# Altium PCB Steezy60SMK.PcbDoc (part 3 of 3)
Units mm, origin at the board's own origin, x right, y up, seen from the top; angles counter-clockwise.
Board outline 284.73 x 94.2 mm, 2 copper layers (Component Side, Bottom Layer), stack 1.571 mm thick; 204 components, 132 nets, 1159 pads, 251 vias.
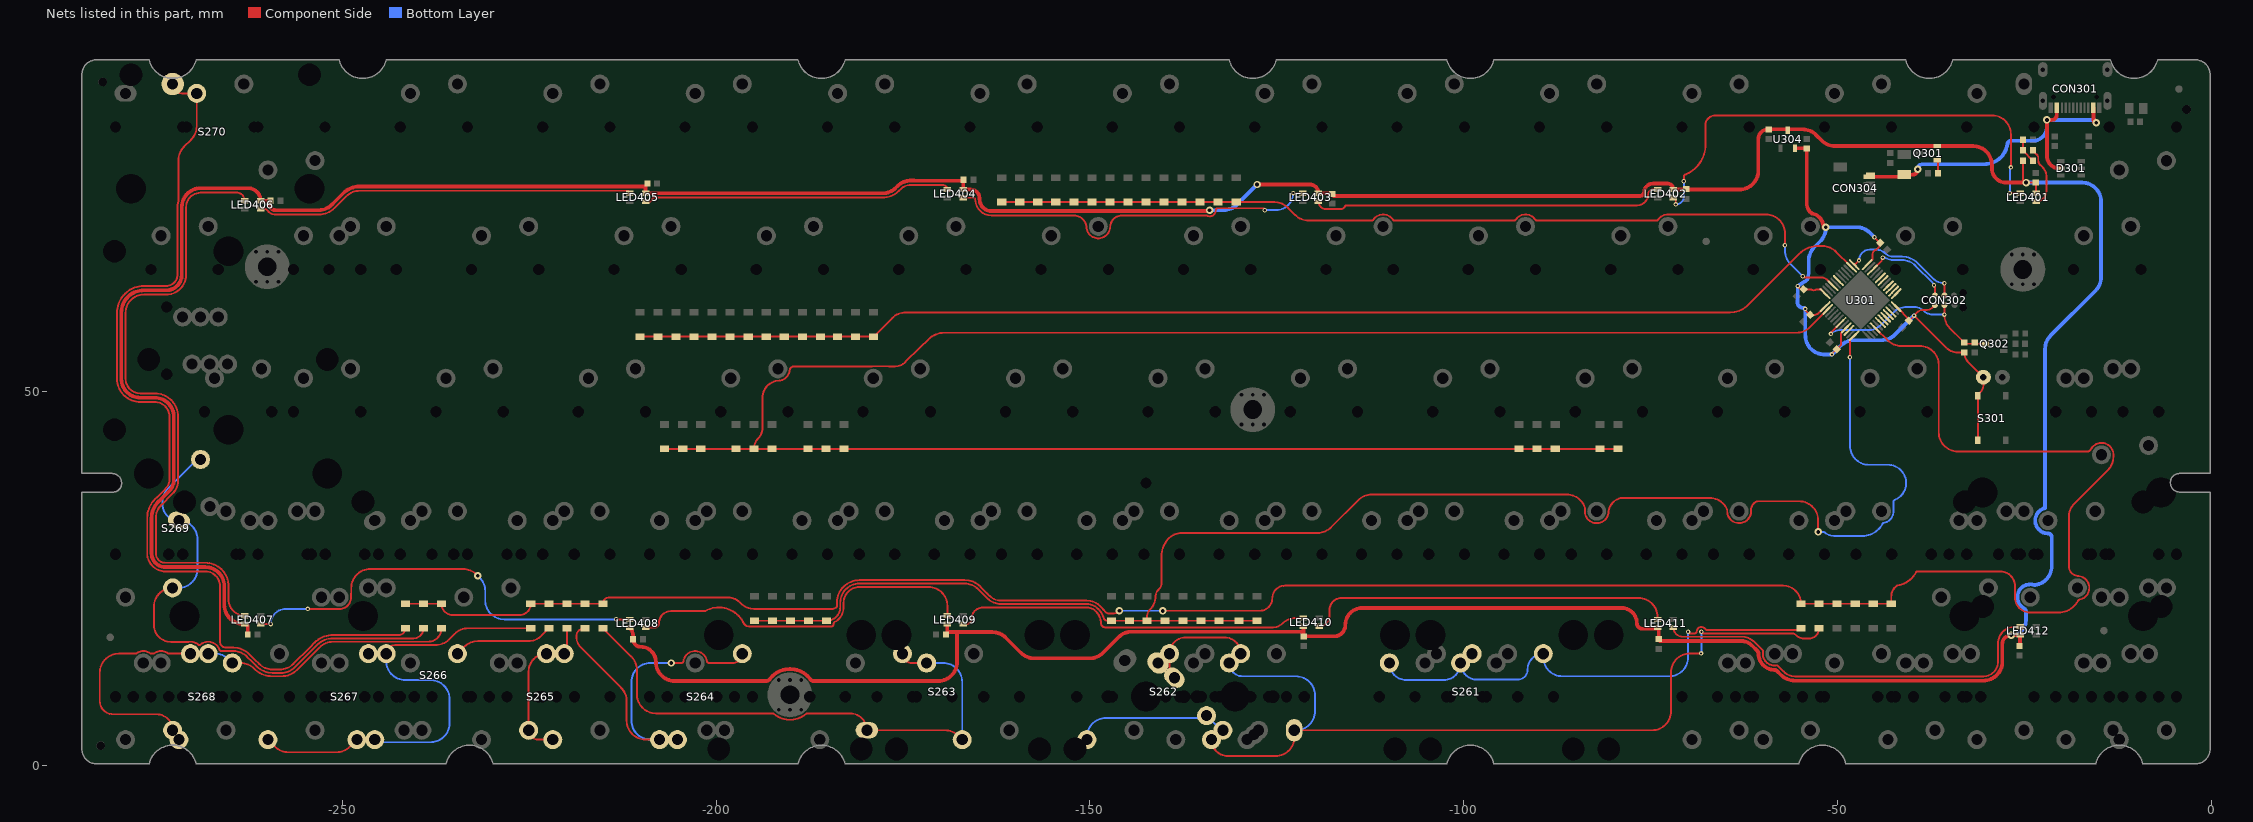
[diagram p3: the nets of this part, all layers, seen from the top]

## Via types
v1: diameter 0.6, hole 0.3, Component Side to Bottom Layer, tented both sides, 127 vias
v2: diameter 1, hole 0.5, Component Side to Bottom Layer, tented both sides, 99 vias
v3: diameter 0.6, hole 0.3, Component Side to Bottom Layer, tented bottom, 25 vias

## Nets (pads, with @x,y where several pads share a name; then routed paths per layer and width w, separated by ;. In a path a pad name is that pad's centre, name@x,y a point inside that pad or via, vN(x,y) a via of type N, cw(c..) or ccw(c..) an arc to the next point about the centre after c; other vN are vias at no path point) (continued)
NetD261_1: D261.1 S261.1 | length 69
  Component Side w0.254: S261.1@-110.399,14.183 S261.1@-109.931,13.715 ; v1@-69.85,17.687 -69.078,17.687 ccw(c-69.079,17.941) -68.826,17.93 cw(c-68.199,17.907) -67.676,18.253 ccw(c-67.466,18.395) -67.467,18.141 -55.088,18.141 ccw(c-55.088,18.365) D261.1@-54.864,18.365
  Bottom Layer w0.254: S261.1@-109.931,13.715 ccw(c-107.646,13.715) -107.646,11.43 -102.691,11.43 ccw(c-102.691,13.715) S261.1@-100.406,13.715 ccw(c-98.175,13.715) -100.399,13.536 ccw(c-98.175,13.715) -98.354,11.491 ccw(c-98.175,13.715) -98.175,11.484 -92.783,11.484 ccw(c-92.783,12.827) -91.44,12.827 -91.44,12.868 cw(c-89.343,12.868) S261.1@-89.343,14.965 -89.343,14.478 ccw(c-86.803,14.478) -86.803,11.938 -72.517,11.938 ccw(c-72.517,14.478) -69.977,14.478 v1(-69.977,17.907)
NetD262_1: D262.1 S262.1 | length 155.4
  Component Side w0.254: S262.1@-138.379,12.065 S262.1@-138.689,11.755 -139.35,12.415 S262.1@-139.35,14.965 cw(c-137.17,14.965) -139.349,14.986 cw(c-137.17,14.965) -137.17,17.145 -132.004,17.145 cw(c-132.004,14.965) -130.37,16.407 cw(c-132.004,14.965) S262.1@-129.825,14.965 ; S262.1@-133.736,3.465 ccw(c-131.541,3.465) -131.541,1.27 -125.178,1.27 ccw(c-125.178,3.81) -122.638,3.81 -122.638,4.68 cw(c-120.901,4.322) S262.1@-122.631,4.715 ; S262.1@-122.767,3.725 ccw(c-125.213,4.408) S262.1@-122.673,4.393 ; S262.1@-122.673,4.715 S262.1@-122.631,4.715 ; v1@-68.199,14.986 -69.723,14.986 ccw(c-69.723,12.446) -72.263,12.446 -72.263,7.255 cw(c-74.803,7.255) -74.803,4.715 S262.1@-122.631,4.715 ; v1(-68.199,17.907) ccw(c-67.979,17.907) -67.979,17.687 -56.194,17.687 cw(c-56.194,16.704) -55.499,17.399 ccw(c-54.532,18.366) -54.532,16.998 -53.818,16.998 ccw(c-53.818,18.365) D262.1@-52.451,18.365
  Bottom Layer w0.254: S262.1@-150.397,3.465 -150.397,3.81 cw(c-147.857,3.81) -147.857,6.35 S262.1@-134.366,6.35 ; S262.1@-134.396,6.675 -132.593,4.872 ccw(c-132.213,5.252) S262.1@-132.213,4.715 ; S262.1@-134.19,3.919 S262.1@-133.736,3.465 ; S262.1@-131.354,13.715 ccw(c-129.577,13.715) -129.577,11.938 -122.428,11.938 cw(c-122.428,9.398) -119.888,9.398 -119.888,7.255 cw(c-122.428,7.255) -120.081,6.284 cw(c-122.428,7.255) -121.457,4.908 cw(c-122.428,7.255) -122.428,4.715 S262.1@-122.673,4.715 ; v1(-68.238,15.003) ccw(c-68.238,15.042) -68.199,15.042 v1(-68.199,17.907)
NetD263_1: D263.1 S263.1 | length 76.9
  Component Side w0.254: D263.1@-215.138,18.365 -211.338,14.565 cw(c-213.134,12.769) -210.594,12.769 -210.594,9.525 ccw(c-208.054,9.525) -210.516,8.897 ccw(c-208.054,9.525) -210.515,8.896 ccw(c-208.054,9.525) -208.054,6.985 -192.451,6.985 cw(c-192.449,6.731) -192.284,6.924 ccw(c-190.119,9.45) -187.954,6.924 cw(c-187.789,6.731) -187.787,6.985 -182.101,6.985 cw(c-182.101,4.715) S263.1@-179.831,4.715 -169.383,4.715 cw(c-169.383,2.175) -167.587,3.971 S263.1@-167.081,3.465 ; S263.1@-175.068,14.965 ccw(c-173.818,14.965) -173.818,13.715 S263.1@-171.843,13.715
  Bottom Layer w0.254: S263.1@-179.831,4.715 S263.1@-179.308,4.715 ; S263.1@-175.068,14.965 S263.1@-174.482,14.379 ; S263.1@-171.843,13.715 -169.621,13.715 cw(c-169.621,11.175) -167.081,11.175 S263.1@-167.081,3.465
NetD264_1: D264.1 S264.1 | length 50.5
  Component Side w0.254: D264.1@-217.551,18.365 -217.601,18.365 ccw(c-217.601,17.272) -217.997,18.291 ccw(c-217.601,17.272) -218.694,17.272 ccw(c-216.548,17.272) -218.065,15.754 -212.707,10.396 cw(c-214.503,8.6) -211.963,8.6 -211.963,6.005 ccw(c-209.423,6.005) -209.423,3.465 S264.1@-207.562,3.465 ; v2(-205.994,13.716) -204.633,13.716 ccw(c-204.633,13.97) -204.382,13.935 cw(c-202.8,13.715) -201.218,13.935 ccw(c-200.967,13.97) -200.967,13.716 -197.749,13.716 ccw(c-197.749,14.965) S264.1@-196.5,14.965
  Bottom Layer w0.254: S264.1@-207.562,3.465 -208.788,3.465 cw(c-208.788,6.005) -211.328,6.005 -211.328,11.176 cw(c-208.788,11.176) -208.788,13.716 v2(-205.994,13.716)
NetD265_1: D265.1 S265.1 | length 19.5
  Component Side w0.254: S265.1@-223.58,14.965 S265.1@-222.693,14.965 ccw(c-222.693,12.584) -225.075,12.584 S265.1@-225.075,4.715 ccw(c-223.825,4.715) -223.825,3.465 S265.1@-222.377,3.465 ; S265.1@-220.312,14.965 ccw(c-220.312,15.313) -219.964,15.313 D265.1@-219.964,18.365
NetD266_1: D266.1 S266.1 | length 13.4
  Component Side w0.254: S266.1@-234.6,14.965 -233.672,15.893 cw(c-231.876,14.097) -231.876,16.637 -225.157,16.637 ccw(c-225.157,19.177) -223.361,17.381 D266.1@-222.377,18.365
NetD267_1: D267.1 S267.1 | length 61.9
  Component Side w0.254: S267.1@-259.949,3.465 -259.006,2.522 ccw(c-257.21,4.318) -257.21,1.778 -250.782,1.778 ccw(c-250.782,4.318) -248.986,2.522 S267.1@-248.043,3.465 S267.1@-247.396,4.112 ; S267.1@-244.125,14.965 cw(c-242.982,14.965) -242.982,16.108 -237.547,16.108 ccw(c-237.547,18.648) -235.751,16.852 -234.982,17.621 cw(c-233.186,15.825) -233.186,18.365 D267.1@-224.79,18.365
  Bottom Layer w0.254: S267.1@-245.662,3.465 -245.315,3.118 -238.198,3.118 ccw(c-238.198,5.658) -237.603,3.189 ccw(c-238.198,5.658) -235.729,5.063 ccw(c-238.198,5.658) -235.658,5.658 -235.658,8.89 ccw(c-238.198,8.89) -235.748,9.561 ccw(c-238.198,8.89) -237.527,11.34 ccw(c-238.198,8.89) -238.198,11.43 -241.585,11.43 cw(c-241.585,13.97) -244.125,13.97 S267.1@-244.125,14.965
NetD268_1: D268.1 S268.1 | length 65.2
  Component Side w0.254: S268.1@-272.557,4.572 S268.1@-272.7,4.715 ccw(c-274.843,4.715) -274.843,6.858 -280.67,6.858 cw(c-280.67,8.636) -282.448,8.636 -282.448,12.425 cw(c-279.908,12.425) -279.908,14.965 -277.697,14.965 ccw(c-277.697,15.219) -277.549,15.013 cw(c-276.618,13.715) -275.687,15.013 ccw(c-275.539,15.219) -275.539,14.965 -275.316,14.965 ccw(c-275.316,15.219) -275.168,15.013 cw(c-274.237,13.715) -273.306,15.013 ccw(c-273.158,15.219) -273.158,14.965 S268.1@-270.318,14.965 ; S268.1@-267.937,14.965 S268.1@-267.348,14.376 ; S268.1@-264.414,13.715 -263.596,13.715 cw(c-263.596,11.175) -261.8,12.971 -261.776,12.947 ccw(c-259.338,15.386) -261.774,12.946 ccw(c-259.338,15.386) -259.338,11.938 -258.161,11.938 ccw(c-258.161,14.932) -256.045,12.814 ccw(c-258.161,14.932) -256.043,12.816 -253.041,15.818 cw(c-251.245,14.022) -251.245,16.562 -238.531,16.562 ccw(c-238.531,18.365) D268.1@-236.728,18.365
  Bottom Layer w0.254: S268.1@-267.937,14.965 -267.014,14.965 cw(c-267.014,12.425) -265.218,14.221 S268.1@-264.712,13.715
NetD269_1: D269.1 S269.1 | length 73
  Component Side w0.254: S269.1@-272.7,23.765 ccw(c-272.7,21.256) -275.209,21.256 -275.209,18.796 ccw(c-272.958,18.796) -272.958,16.545 -270.553,16.545 cw(c-270.318,14.965) -269.291,16.188 ccw(c-269.128,16.382) -268.964,16.188 cw(c-267.937,14.965) -266.427,15.484 ccw(c-266.186,15.566) -266.186,15.312 -265.376,15.312 ; S269.1@-271.856,32.765 S269.1@-271.108,32.765 ; -265.375,15.312 -264.551,15.312 cw(c-264.551,12.772) -262.755,14.568 -262.039,13.852 -261.455,13.269 ; -261.455,13.268 ccw(c-259.338,15.386) -259.338,12.392 -258.161,12.392 ccw(c-258.161,14.932) -256.365,13.136 -253.363,16.138 cw(c-251.245,14.022) -253.361,16.14 cw(c-251.245,14.022) -251.245,17.016 -240.49,17.016 ccw(c-240.49,18.365) D269.1@-239.141,18.365
  Bottom Layer w0.254: S269.1@-272.7,23.765 -271.907,23.765 ccw(c-271.907,26.305) -269.367,26.305 -269.367,30.276 ccw(c-271.856,30.276) S269.1@-271.856,32.765 cw(c-271.856,34.975) -274.045,34.674 -274.045,35.29 cw(c-271.505,35.29) -273.301,37.087 -269.787,40.601 cw(c-268.969,39.783) S269.1@-268.969,40.94
NetD270_1: D270.1 S270.1 | length 126.1
  Component Side w0.254: S270.1@-272.7,91.165 ccw(c-271.45,91.165) -271.45,89.915 S270.1@-269.475,89.915 -269.475,85.526 cw(c-272.015,85.526) -270.219,83.73 -271.182,82.767 ccw(c-269.386,80.971) -271.926,80.971 -271.926,75.594 cw(c-272.18,75.593) -271.935,75.525 ccw(c-268.932,74.691) -272.049,74.691 -272.049,65.659 cw(c-273.558,65.659) -272.054,65.542 cw(c-272.307,65.563) -272.068,65.476 ccw(c-271.526,65.278) -272.103,65.29 cw(c-272.357,65.295) -272.114,65.221 cw(c-273.558,65.659) -272.543,64.542 cw(c-273.558,65.659) -273.558,64.15 -276.566,64.15 ccw(c-276.566,60.579) -278.355,63.67 ccw(c-276.566,60.579) -279.456,62.677 cw(c-279.661,62.827) -279.527,62.611 cw(c-279.776,62.659) -279.563,62.521 ccw(c-276.566,60.579) -280.137,60.579 -280.137,59.944 -280.137,51.743 ccw(c-277.02,51.743) -280.118,51.397 ccw(c-277.02,51.743) -279.312,49.631 ccw(c-277.02,51.743) -277.02,48.626 -275.082,48.626 cw(c-275.082,46.663) -274.137,48.384 cw(c-275.082,46.663) -273.119,46.663 -273.119,38.209 cw(c-274.628,38.209) -273.561,37.142 -273.652,37.051 -274.858,35.845 -275.048,35.655 ccw(c-272.523,33.13) -276.094,33.13 -276.094,27.94 cw(c-276.277,27.764) -276.03,27.822 ccw(c-273.685,28.375) -274.118,26.005 ccw(c-273.685,28.375) -273.685,25.966 -268.332,25.966 cw(c-268.332,24.003) -267.146,25.568 cw(c-268.332,24.003) -266.369,24.003 -266.369,16.581 ccw(c-265.577,16.581) -265.577,15.79 ccw(c-265.375,16.637) -265.375,15.766 -264.551,15.766 cw(c-264.551,12.772) -262.434,14.89 cw(c-264.551,12.772) -262.433,14.888 -261.694,14.15 -261.134,13.59 ccw(c-259.338,15.386) -259.338,12.846 -258.349,12.846 ccw(c-258.349,15.386) -256.553,13.59 -254.388,15.755 -253.683,16.46 cw(c-251.245,14.022) -253.681,16.462 cw(c-251.245,14.022) -251.245,17.47 -242.449,17.47 ccw(c-242.449,18.365) D270.1@-241.554,18.365
NetLED401_2: LED401.2 LED402.4 | length 66
  Component Side w0.254: LED402.4@-71.935,75.95 cw(c-71.935,75.643) -71.628,75.643 v1(-71.628,75.057) ; v1(-70.55,78.15) -70.55,78.765 cw(c-70.188,78.765) -70.517,78.915 cw(c-70.287,78.809) -70.381,79.045 ccw(c-71.99,83.093) -70.188,79.127 ccw(c-71.99,83.093) -68.649,80.298 ccw(c-71.99,83.093) -67.634,83.093 -67.634,85.798 cw(c-66.456,85.798) -67.595,86.097 cw(c-67.35,86.032) -67.585,86.128 cw(c-66.313,85.598) -66.313,86.976 -29.337,86.976 cw(c-29.337,84.436) -26.797,84.436 v1(-26.797,80.01) ; v1(-26.924,76.581) -25.596,76.581 cw(c-25.596,76.55) LED401.2@-25.565,76.55
  Bottom Layer w0.254: v1(-71.628,75.057) ccw(c-71.628,76.135) -70.55,76.135 v1(-70.55,78.15) ; v1(-26.924,76.581) -26.924,79.883 cw(c-26.797,79.883) v1(-26.797,80.01) v1@-26.86,79.947
NetLED401_4: LED401.4 R401.2 | length 8.3
  Component Side w0.254: R401.2@-23.861,82.296 -23.861,82.271 -23.31,81.72 cw(c-23.733,81.296) -23.144,81.407 ccw(c-22.895,81.456) -23.142,81.397 cw(c-23.461,81.324) -23.134,81.324 -23.134,80.918 ccw(c-22.333,80.918) -22.9,80.352 ; LED401.4@-23.435,75.45 ccw(c-23.435,76.835) -22.05,76.835 -22.05,78.867 ccw(c-23.583,78.867) -22.499,79.951 -22.899,80.352
NetLED402_2: LED402.2 LED403.4 | length 47.5
  Component Side w0.254: LED403.4@-119.421,75.45 ccw(c-118.393,75.45) -118.642,74.453 ccw(c-118.569,74.696) -118.612,74.446 ccw(c-118.569,74.696) -118.57,74.442 -116.603,74.442 cw(c-116.604,74.188) -116.563,74.439 ; -116.459,74.43 cw(c-116.459,75.057) -116.563,74.439 ; LED402.2@-74.065,77.05 -74.715,77.05 ccw(c-74.715,76.454) -75.311,76.454 cw(c-76.835,76.454) -76.835,74.93 -115.666,74.93 ccw(c-115.665,74.676) -115.893,74.787 cw(c-116.459,75.057) -116.563,74.439
NetLED403_2: LED403.2 LED404.4 | length 52.4
  Component Side w0.254: LED404.4@-166.935,75.95 -165.552,75.95 cw(c-165.585,75.698) -165.333,75.731 ; -165.333,75.73 ccw(c-163.174,75.75) -163.174,73.591 -152.159,73.591 cw(c-152.159,71.888) -150.474,72.14 cw(c-150.726,72.104) -150.472,72.107 ccw(c-148.875,72.115) -147.293,71.896 ccw(c-147.535,71.973) -147.281,71.972 -147.281,72.008 cw(c-147.027,72.007) -147.281,72.021 ccw(c-148.875,72.115) -147.278,72.108 cw(c-147.024,72.106) -147.278,72.12 cw(c-145.705,72.015) -145.705,73.591 -134.485,73.591 cw(c-134.486,73.337) -134.369,73.563 ccw(c-133.985,74.295) -134.201,73.497 ccw(c-133.985,74.295) -133.158,74.295 cw(c-132.904,74.295) -132.904,74.549 -126.873,74.549 cw(c-126.873,74.295) v1(-126.619,74.295) ; -150.472,72.106 ccw(c-148.875,72.115) -150.456,71.888 ; v1(-122.809,76.581) ccw(c-122.778,76.581) -122.778,76.55 LED403.2@-121.551,76.55
  Bottom Layer w0.254: v1(-126.619,74.295) -125.095,74.295 ccw(c-125.095,76.581) v1(-122.809,76.581)
NetLED404_2: LED404.2 LED405.4 | length 41.5
  Component Side w0.254: LED405.4@-209.435,75.45 -208.903,75.45 ccw(c-208.903,75.819) -208.534,75.819 cw(c-208.301,75.719) -208.302,75.973 -204.978,75.973 -177.72,75.973 ccw(c-177.72,79.041) -175.87,76.593 ccw(c-177.72,79.041) -175.549,76.873 -175.328,77.094 cw(c-173.939,75.707) -173.939,77.67 -173.638,77.67 cw(c-173.639,77.416) -173.592,77.666 ccw(c-173.482,78.232) -173.482,77.655 -169.67,77.655 cw(c-169.67,77.05) LED404.2@-169.065,77.05
NetLED405_2: LED405.2 LED406.4 | length 50.9
  Component Side w0.254: LED406.4@-260.935,74.45 -260.293,74.45 cw(c-260.294,74.196) -260.081,74.334 ccw(c-258.949,75.057) -259.251,73.748 ccw(c-258.949,75.057) -258.949,73.714 -253.147,73.714 ccw(c-253.147,76.708) -251.031,74.59 ccw(c-253.147,76.708) -251.029,74.592 -249.476,76.145 cw(c-247.68,74.349) -247.68,76.889 -211.904,76.889 cw(c-211.904,76.55) LED405.2@-211.565,76.55
NetLED406_2: LED406.2 LED407.4 | length 86.2
  Component Side w0.254: -273.295,49.217 cw(c-275.082,46.663) -272.096,47.556 cw(c-275.082,46.663) -271.965,46.663 -271.965,38.209 cw(c-274.628,38.209) -272.132,37.28 cw(c-274.628,38.209) -272.745,36.326 -274.233,34.838 ccw(c-272.523,33.13) -274.532,34.473 ccw(c-272.523,33.13) -274.94,33.13 -274.94,28.375 ccw(c-273.685,28.375) -274.76,27.727 ccw(c-273.685,28.375) -273.685,27.12 -268.332,27.12 cw(c-268.332,24.003) -265.671,25.625 cw(c-268.332,24.003) -265.67,25.624 cw(c-268.332,24.003) -265.337,24.865 cw(c-268.332,24.003) -265.215,24.003 -265.215,23.749 -265.215,22.864 -265.215,22.2 ccw(c-263.065,22.2) LED407.4@-263.065,20.05 ; -273.295,49.217 ccw(c-275.082,46.663) -275.082,49.78 -277.02,49.78 cw(c-277.02,51.743) -277.9,49.988 cw(c-277.02,51.743) -278.751,50.817 cw(c-277.02,51.743) -278.983,51.743 -278.983,54.61 -278.983,60.579 cw(c-276.566,60.579) -278.178,62.38 cw(c-276.566,60.579) -276.566,62.996 -273.558,62.996 ccw(c-273.558,65.659) -272.367,63.277 ccw(c-273.558,65.659) -270.974,65.015 ccw(c-271.78,65.217) -270.953,65.135 cw(c-270.7,65.11) -270.944,65.18 ccw(c-271.743,65.41) -270.92,65.297 ccw(c-273.558,65.659) -270.895,65.659 -270.895,68.535 cw(c-270.641,68.535) -270.891,68.58 -270.891,71.882 ; -270.895,70.739 -270.895,74.691 cw(c-268.932,74.691) -270.228,76.165 cw(c-270.061,75.974) -270.21,76.18 cw(c-268.732,74.114) -268.732,76.654 -264.169,76.654 cw(c-264.169,75.55) LED406.2@-263.065,75.55
NetLED407_2: LED407.2 LED408.4 | length 58.5
  Component Side w0.254: LED407.2@-260.935,18.95 -259.615,18.95 cw(c-259.615,18.923) v1(-259.588,18.923) ; v1(-254.635,20.955) ccw(c-254.599,20.955) -254.599,20.919 -252.857,20.919 ; -252.866,20.919 cw(c-252.865,20.665) -252.857,20.919 ; v2(-231.902,25.4) -232.047,25.545 ccw(c-233.843,23.749) -233.843,26.289 -246.265,26.289 ccw(c-246.265,23.749) -248.805,23.749 -248.805,23.115 ccw(c-246.278,22.86) -248.818,22.86 -248.818,22.567 ccw(c-248.573,22.5) -248.827,22.502 cw(c-250.424,22.515) -250.174,20.938 ccw(c-250.134,20.687) -250.237,20.919 -250.363,20.919 ccw(c-250.364,20.665) -250.372,20.919 cw(c-250.424,22.515) -250.475,20.919 ccw(c-250.484,20.665) -250.482,20.919 -252.744,20.919 ccw(c-252.745,20.665) -252.753,20.919 cw(c-252.805,22.515) -252.856,20.919 ; v1(-213.36,19.558) -213.352,19.55 LED408.4@-211.565,19.55
  Bottom Layer w0.254: v1(-259.588,18.923) cw(c-257.556,18.923) -257.556,20.955 v1(-254.635,20.955) ; v2(-231.902,25.4) -231.63,25.128 cw(c-233.426,23.332) -230.886,23.332 -230.886,22.098 ccw(c-228.346,22.098) -230.825,21.546 ccw(c-228.346,22.098) -228.346,19.558 v1(-213.36,19.558)
NetLED408_2: LED408.2 LED409.4 | length 49.2
  Component Side w0.254: LED408.2@-209.435,18.45 -208.245,18.45 ccw(c-208.245,19.05) -207.645,19.05 cw(c-206.045,19.05) -206.045,20.65 -201.575,20.65 ccw(c-201.575,20.904) -201.451,20.682 cw(c-199.649,17.47) -199.194,21.125 cw(c-199.649,17.47) -197.212,20.231 cw(c-199.649,17.47) -196.454,19.301 cw(c-197.638,18.628) -196.389,19.171 cw(c-197.638,18.628) -196.388,19.168 cw(c-197.638,18.628) -196.375,19.138 ccw(c-196.14,19.234) -196.357,19.101 cw(c-197.52,18.393) -196.34,19.073 ; -196.108,18.801 cw(c-195.494,19.558) -196.339,19.071 ccw(c-197.52,18.393) -196.34,19.073 ; -195.495,18.583 cw(c-195.494,19.558) -196.34,19.073 ; -195.494,18.583 -194.818,18.583 -185.166,18.583 -184.621,18.583 ccw(c-184.621,18.91) -184.465,18.623 ccw(c-184.621,18.91) -184.294,18.91 -184.294,18.952 cw(c-184.04,18.952) -184.159,19.177 ccw(c-185.231,21.208) -182.934,21.208 -182.934,21.798 cw(c-180.848,21.798) -182.479,23.098 cw(c-180.848,21.798) -180.848,23.884 -180.589,23.884 ccw(c-180.589,24.338) -180.547,23.886 cw(c-180.34,21.81) -180.34,23.896 -171.605,23.896 cw(c-171.605,21.356) -169.065,21.356 LED409.4@-169.065,20.05
NetLED409_2: LED409.2 LED410.4 | length 49.7
  Component Side w0.254: LED409.2@-166.935,18.95 -166.47,18.95 ccw(c-166.47,19.558) -165.862,19.558 cw(c-164.27,19.558) -164.27,21.15 -158.782,21.15 ccw(c-158.782,21.404) -158.768,21.15 cw(c-158.602,18.161) -158.602,21.155 -150.622,21.155 cw(c-150.622,19.05) -150.485,21.151 ccw(c-150.468,21.404) -150.468,21.15 -150.436,21.15 cw(c-150.436,19.431) -149.065,20.468 ccw(c-148.863,20.621) -149.055,20.455 -149.049,20.449 ; -148.558,19.463 ccw(c-150.622,19.05) -149.049,20.449 ; LED410.4@-121.461,19.727 -122.477,19.727 ccw(c-122.477,17.187) -124.273,18.983 cw(c-125.468,20.178) -125.468,18.488 -147.955,18.488 cw(c-147.955,19.05) -148.472,18.829 cw(c-147.955,19.05) -148.517,19.05 ccw(c-150.622,19.05) -148.769,20.048 ccw(c-150.622,19.05) -149.049,20.449
NetLED410_2: LED410.2 LED411.4 | length 49.5
  Component Side w0.254: LED410.2@-119.331,18.627 ccw(c-119.331,20.012) -117.946,20.012 -117.946,20.827 cw(c-116.367,20.827) -116.367,22.406 -76.605,22.406 cw(c-76.605,19.866) -74.065,19.866 LED411.4@-74.065,19.55
NetLED411_2: LED411.2 LED412.4 | length 54.4
  Component Side w0.254: LED411.2@-71.935,18.45 ccw(c-70.718,18.45) -70.718,17.233 -62.862,17.233 cw(c-62.862,14.693) -61.066,16.489 -60.033,15.456 cw(c-60.212,15.276) -59.961,15.233 ccw(c-58.387,14.965) -58.027,13.409 -57.173,12.555 ccw(c-55.673,14.054) -55.673,11.934 -54.03,11.934 -52.324,11.934 -30.48,11.934 ccw(c-30.48,13.897) -28.906,12.725 ccw(c-30.48,13.897) -28.523,13.741 ccw(c-28.777,13.76) -28.523,13.759 -28.523,14.61 cw(c-28.269,14.61) -28.522,14.627 -28.518,14.693 ccw(c-28.771,14.71) -28.517,14.709 -28.517,16.322 cw(c-26.289,16.322) -26.289,18.55 LED412.4@-25.565,18.55
NetQ301_1: Q301.1 R307.1 | length 1.8
  Component Side w0.254: Q301.1@-36.646,80.965 cw(c-36.646,80.88) -36.561,80.88 R307.1@-36.561,79.248
NetR306_2: R306.2 R308.1 R401.1 | length 3.3
  Component Side w0.254: R308.1@-25.161,83.693 R401.1@-25.161,82.296 -24.888,81.998 -24.134,81.197 R306.2@-23.861,80.899
NRST: C310.1 CON302.3 Q302.3 R303.2 U301.7 | length 27.4
  Component Side w0.254: v1(-50.875,57.733) cw(c-50.441,57.733) -50.748,58.039 U301.7@-49.701,59.087 ; CON302.3@-35.687,61.595 -35.689,61.593 -35.689,60.332 v1(-35.692,60.33) -35.692,60.278 ccw(c-33.152,60.278) -34.948,58.481 -33.322,56.856 -33.322,56.831 -33.049,56.558 R303.2@-33.024,56.558 -32.882,56.416 Q302.3@-30.16,56.416
  Bottom Layer w0.254: v1(-50.875,57.733) cw(c-49.663,56.521) -50.658,57.916 cw(c-49.663,56.521) -49.663,58.235 -45.941,58.235 ccw(c-45.941,60.775) -44.145,58.979 -42.527,60.597 cw(c-40.731,58.801) -40.731,61.341 -39.704,61.341 cw(c-39.704,59.614) -38.484,60.836 ; -38.483,60.835 ccw(c-37.262,62.056) -37.262,60.33 v1(-35.692,60.33)
PA0: U301.10
PA2: D243.2 D244.2 D245.2 D246.2 D247.2 D248.2 D249.2 D250.2 D251.2 D252.2 D253.2 D254.2 D255.2 D256.2 U301.12 | length 225.3
  Component Side w0.254: D256.2@-194.883,19.365 D255.2@-192.47,19.365 D254.2@-190.057,19.365 D253.2@-187.644,19.365 D252.2@-185.231,19.365 ccw(c-185.231,21.208) -183.388,21.208 -183.388,21.798 cw(c-180.848,21.798) -180.848,24.338 -180.589,24.338 cw(c-180.34,21.81) -180.34,24.35 -166.753,24.35 cw(c-166.753,21.81) -164.957,23.606 -163.704,22.353 ccw(c-161.908,24.149) -161.908,21.609 -150.622,21.609 cw(c-150.622,19.05) -150.549,21.608 cw(c-150.622,19.05) -150.469,21.604 ccw(c-150.454,21.858) -150.454,21.604 -150.436,21.604 cw(c-150.436,19.431) -148.708,20.749 cw(c-150.622,19.05) -148.513,20.5 ; -148.513,20.499 cw(c-150.622,19.05) -148.237,19.977 cw(c-150.622,19.05) -148.142,19.68 ccw(c-147.896,19.743) -148.089,19.578 ccw(c-147.625,19.977) -147.625,19.365 D251.2@-147.131,19.365 D250.2@-144.718,19.365 D249.2@-142.363,19.365 ; -141.224,22.352 -141.224,22.575 cw(c-139.923,22.575) -140.843,23.495 -140.722,23.616 ccw(c-141.481,24.374) -140.408,24.372 ccw(c-141.481,24.374) -140.408,24.374 ; -141.224,22.606 cw(c-143.677,22.606) -141.942,20.872 -141.986,20.828 ccw(c-141.076,19.918) -142.363,19.918 D249.2@-142.363,19.365 ; -140.408,24.374 -140.408,28.121 cw(c-137.414,28.121) -140.4,28.335 cw(c-137.414,28.121) -139.9,29.79 ccw(c-140.111,29.931) -139.889,29.808 cw(c-137.668,28.575) -137.668,31.115 -119.543,31.115 ccw(c-119.543,33.655) -117.747,31.859 -114.095,35.511 cw(c-112.299,33.715) -112.299,36.255 -86.208,36.255 cw(c-86.208,33.715) -83.773,34.438 cw(c-84.017,34.367) -83.768,34.318 ccw(c-82.2,34.015) -83.669,33.388 ; D243.2@-127.635,19.365 D244.2@-130.048,19.365 D245.2@-132.715,19.365 D246.2@-135.128,19.365 D247.2@-137.541,19.365 D248.2@-139.954,19.365 D249.2@-142.363,19.365 ; -83.668,33.387 ccw(c-82.2,34.015) -80.623,33.764 ; -80.622,33.765 ccw(c-82.2,34.015) -80.603,34.028 cw(c-80.349,34.03) -80.6,34.068 cw(c-78.573,33.764) -78.764,35.805 -67.099,35.805 cw(c-67.099,33.266) -64.761,34.256 cw(c-64.995,34.157) -64.742,34.138 ccw(c-63.15,34.015) -64.561,33.267 ; -64.56,33.266 ccw(c-63.15,34.015) -61.56,34.166 cw(c-60.293,34.166) -60.791,35.331 cw(c-60.692,35.097) -60.691,35.351 -55.118,35.351 cw(c-55.118,32.811) -52.578,32.811 v2(-52.578,31.242) ; v1(-48.322,54.609) -48.331,54.617 -48.331,56.921 U301.12@-47.933,57.319
  Bottom Layer w0.254: v2(-52.578,31.242) -51.869,31.242 cw(c-51.868,30.988) -51.706,31.184 ccw(c-50.4,32.765) -50.436,30.714 ccw(c-50.423,31.168) -50.426,30.714 ccw(c-50.423,31.168) -50.423,30.714 ; -50.422,30.714 ccw(c-50.4,32.765) -50.378,30.714 ; -50.376,30.714 cw(c-50.375,30.46) -50.374,30.714 -50.192,30.714 -50.1,30.714 -49.826,30.714 -49.276,30.714 -46.64,30.714 ccw(c-46.64,33.708) -44.678,31.446 ccw(c-46.64,33.708) -44.007,32.283 ccw(c-46.64,33.708) -43.991,32.313 cw(c-43.766,32.194) -43.812,32.444 ccw(c-44.1,34.015) -42.506,33.906 ccw(c-44.1,34.015) -42.506,34.116 cw(c-42.252,34.132) -42.506,34.117 cw(c-42.252,34.132) -42.506,34.132 -42.506,35.289 cw(c-42.252,35.289) -42.348,35.524 ; v1(-48.322,54.609) -48.322,42.769 ccw(c-45.782,42.769) -45.782,40.229 -43.25,40.229 cw(c-43.25,37.79) -41.441,39.426 cw(c-43.25,37.79) -40.854,38.248 cw(c-43.25,37.79) -40.854,38.246 cw(c-43.25,37.79) -40.85,37.354 cw(c-43.25,37.79) -42.149,35.614 cw(c-43.25,37.79) -42.347,35.525
PA6: D257.2 D258.2 D259.2 D260.2 D261.2 D262.2 D263.2 D264.2 D265.2 D266.2 D267.2 D268.2 D269.2 D270.2 U301.16 | length 311.6
  Component Side w0.254: D270.2@-241.554,21.635 D269.2@-239.141,21.635 D268.2@-236.728,21.635 ccw(c-235.235,21.635) -235.235,20.142 -226.283,20.142 ccw(c-226.283,21.635) D267.2@-224.79,21.635 D266.2@-222.377,21.635 D265.2@-219.964,21.635 D264.2@-217.551,21.635 D263.2@-215.138,21.635 cw(c-214.294,21.635) -214.294,22.479 -198.383,22.479 cw(c-198.383,20.311) -196.85,21.844 -196.705,21.699 ccw(c-194.909,23.495) -194.909,20.955 -184.531,20.955 ccw(c-184.531,22.098) -183.972,21.101 ccw(c-184.096,21.323) -183.842,21.324 -183.842,21.798 cw(c-180.848,21.798) -183.821,22.149 cw(c-180.848,21.798) -180.848,24.792 -180.611,24.792 cw(c-180.34,21.81) -180.34,24.804 -166.753,24.804 cw(c-166.753,21.81) -164.931,24.185 cw(c-166.753,21.81) -164.635,23.926 -163.699,22.991 -163.383,22.674 ccw(c-161.908,24.149) -161.908,22.063 -150.622,22.063 cw(c-150.622,19.05) -150.567,22.062 cw(c-150.622,19.05) -150.544,22.062 cw(c-150.622,19.05) -150.455,22.058 ccw(c-150.441,22.312) -150.441,22.058 cw(c-150.436,19.431) -148.357,21.037 cw(c-150.622,19.05) -148.174,20.807 -147.947,20.58 ccw(c-147.32,21.207) -147.32,20.32 -146.97,20.32 ccw(c-146.97,21.621) v2(-146.05,20.701) ; v2@-140.335,20.701 -127.254,20.701 ccw(c-127.254,22.352) -125.603,22.352 cw(c-123.898,22.352) -123.898,24.057 -57.286,24.057 cw(c-57.286,21.635) D261.2@-54.864,21.635 D262.2@-52.451,21.635 D260.2@-50.038,21.635 D259.2@-47.625,21.635 D258.2@-45.212,21.635 D257.2@-42.799,21.635 -42.799,22.581 cw(c-40.971,22.581) -42.056,24.053 cw(c-41.906,23.847) -41.947,24.098 cw(c-41.906,23.847) -41.946,24.098 ; U301.16@-44.786,58.38 -44.786,58.375 -43.289,56.878 ccw(c-41.493,58.674) -41.493,56.134 -38.989,56.134 cw(c-38.989,53.594) -36.449,53.594 -36.449,44.559 ccw(c-33.909,44.559) -33.909,42.019 -16.455,42.019 ccw(c-16.455,42.273) -16.276,42.093 -16.158,42.211 ccw(c-16.339,42.389) -16.112,42.275 cw(c-14.681,41.565) -13.092,41.403 cw(c-14.681,41.565) -13.095,41.376 ccw(c-12.843,41.348) -13.092,41.3 cw(c-15.632,41.3) -13.836,39.504 -18.306,35.034 ccw(c-16.51,33.238) -19.05,33.238 -19.05,26.658 ccw(c-17.746,26.658) -17.905,25.364 ccw(c-17.874,25.616) -17.878,25.362 cw(c-17.906,23.765) -17.747,25.354 cw(c-17.906,23.765) -16.778,24.896 cw(c-17.906,23.765) -16.776,24.893 cw(c-17.906,23.765) -16.498,24.518 ; -40.971,24.409 cw(c-42.472,27.432) -41.946,24.098 ; -16.497,24.517 cw(c-17.906,23.765) -17.618,22.194 ccw(c-17.573,21.944) -17.797,22.063 cw(c-20.446,23.458) -20.446,20.464 -24.206,20.464 cw(c-24.206,22.515) -25.657,21.065 cw(c-24.206,22.515) -26.257,22.515 -26.257,24.015 ccw(c-28.205,24.015) -26.577,25.084 ccw(c-28.205,24.015) -28.205,25.962 -39.278,25.962 ccw(c-39.279,25.708) -39.502,25.829 cw(c-42.472,27.432) -41.946,24.098
  Bottom Layer w0.254: v2(-146.05,20.701) -140.276,20.701 cw(c-140.276,20.678) v2(-140.253,20.678)
PA9: U301.30
PA10: U301.31
PA15: D215.2 D216.2 D217.2 D218.2 D219.2 D220.2 D221.2 D222.2 D223.2 D224.2 D225.2 D226.2 D227.2 D228.2 U301.38 | length 167.5
  Component Side w0.254: D228.2@-210.185,57.365 D227.2@-207.772,57.365 D226.2@-205.359,57.365 D225.2@-202.946,57.365 D224.2@-200.533,57.365 D223.2@-198.12,57.365 D222.2@-195.707,57.365 D221.2@-193.294,57.365 D220.2@-190.881,57.365 D219.2@-188.468,57.365 D218.2@-186.055,57.365 D217.2@-183.769,57.365 D216.2@-181.356,57.365 D215.2@-178.943,57.365 -176.444,59.864 cw(c-174.648,58.068) -174.648,60.608 -169.801,60.608 cw(c-169.474,54.899) -169.532,60.617 ccw(c-169.535,60.871) -169.521,60.617 cw(c-169.418,58.804) -169.418,60.62 -64.365,60.62 ccw(c-64.365,64.068) -61.925,61.632 -55.082,68.475 cw(c-52.643,66.038) -55.079,68.478 cw(c-52.643,66.038) -52.862,69.479 ccw(c-52.877,69.732) -52.857,69.479 cw(c-52.705,67.738) -52.705,69.486 -51.995,69.486 cw(c-51.995,66.946) -50.199,68.742 U301.38@-48.287,66.83
PB0: U301.18
PB1: U301.19
PB2: U301.20
PB7: U301.43
PB8: D201.2 D202.2 D203.2 D204.2 D205.2 D206.2 D207.2 D208.2 D209.2 D210.2 D211.2 D212.2 D213.2 D214.2 U301.45 | length 119.3
  Component Side w0.254: D214.2@-161.798,75.365 D213.2@-159.385,75.365 D212.2@-156.972,75.365 D211.2@-154.559,75.365 D210.2@-152.146,75.365 D209.2@-149.733,75.365 D208.2@-147.32,75.365 D207.2@-144.907,75.365 D206.2@-142.494,75.365 D205.2@-140.081,75.365 D204.2@-137.668,75.365 D203.2@-135.255,75.365 D202.2@-132.842,75.365 D201.2@-130.429,75.365 -125.312,75.365 cw(c-125.312,72.825) -123.516,74.621 -122.537,73.642 ccw(c-120.741,75.438) -120.741,72.898 -115.824,72.898 -112.308,72.898 ccw(c-112.308,73.152) -112.098,73.01 cw(c-110.775,72.115) -109.452,73.01 ccw(c-109.242,73.152) -109.242,72.898 -93.258,72.898 ccw(c-93.258,73.152) -93.048,73.01 cw(c-91.725,72.115) -90.402,73.01 ccw(c-90.192,73.152) -90.192,72.898 -74.208,72.898 ccw(c-74.208,73.152) -73.998,73.01 cw(c-72.675,72.115) -72.774,73.709 ; -72.774,73.709 cw(c-72.675,72.115) -72.583,73.709 ccw(c-72.568,73.963) -72.582,73.709 ccw(c-72.568,73.963) -72.568,73.709 -59.563,73.709 cw(c-59.563,71.169) -57.023,71.169 v1(-57.023,69.596) ; v1(-54.651,65.451) ccw(c-54.233,65.869) -54.412,65.306 ccw(c-54.233,65.869) -54.233,65.278 -52.062,65.278 cw(c-52.062,64.397) -51.44,65.02 ; -51.439,65.02 -50.774,64.355 U301.45@-50.761,64.355
  Bottom Layer w0.254: v1(-57.023,69.596) -57.023,68.875 ccw(c-54.483,68.875) -56.279,67.079 v1(-54.651,65.451)
PB10: U301.21
PB11: U301.22
PB12: U301.25
PB13: U301.26
PB14: U301.27
PB15: U301.28
PC13: D229.2 D230.2 D231.2 D232.2 D233.2 D234.2 D235.2 D236.2 D237.2 D238.2 D239.2 D240.2 D241.2 D242.2 U301.2 | length 297.3
  Component Side w0.254: D242.2@-207.391,42.35 -168.402,42.35 ; D238.2@-194.945,42.365 cw(c-192.977,42.365) -194.369,43.756 ccw(c-195.737,45.124) -194.367,43.758 ccw(c-195.737,45.124) -193.802,45.124 -193.802,49.203 cw(c-191.522,49.203) -191.793,51.466 cw(c-191.763,51.214) -191.761,51.468 ; -191.522,51.483 cw(c-191.738,53.065) -191.76,51.468 ccw(c-191.738,53.065) -190.16,52.819 ccw(c-191.738,53.065) -190.146,52.929 cw(c-189.893,52.908) -190.146,52.931 cw(c-189.893,52.908) -190.137,52.978 cw(c-189.58,52.819) -189.58,53.398 -179.24,53.398 ccw(c-179.24,54.106) -179.164,53.402 ccw(c-179.24,54.106) -179.161,53.403 cw(c-178.987,51.815) -178.973,53.412 cw(c-178.987,51.815) -178.9,53.41 ccw(c-178.886,53.663) -178.886,53.409 -178.563,53.409 -176.911,53.398 -176.083,53.398 ccw(c-176.083,55.398) -174.669,53.984 -172.766,55.887 -172.727,55.887 -171.586,57.022 cw(c-169.474,54.899) -169.474,57.893 -116.659,57.893 ccw(c-116.659,58.347) -116.617,57.895 cw(c-116.594,57.642) -116.593,57.896 -55.479,57.896 ccw(c-55.479,60.436) -53.683,58.64 U301.2@-51.469,60.855 ; D234.2@-182.88,42.365 D233.2@-92.583,42.365 D232.2@-90.17,42.365 D231.2@-87.757,42.365 D230.2@-81.788,42.365 D229.2@-79.375,42.365
RAW: CON301.A4B9 CON301.B4A9 CON304.1 D301.5 F301.2 | length 51.1
  Component Side w0.5: CON304.1@-45.625,78.75 F301.2@-41.052,78.75 ; F301.2@-41.052,79.041 -39.958,79.041 ccw(c-39.958,79.756) v2(-39.243,79.756) ; CON301.B4A9@-20.65,88 -20.65,87.046 cw(c-21.336,87.046) -21.336,86.36 v2(-21.971,86.36) -21.971,81.534 ccw(c-20.32,81.534) -20.32,79.883 D301.5@-20.105,79.883 ; CON301.A4B9@-15.75,88 -15.75,86.362 ccw(c-15.367,86.362) v2(-15.367,85.979)
  Bottom Layer w0.5: v2(-39.243,79.756) cw(c-37.592,79.756) -39.231,79.955 cw(c-38.735,79.893) -38.872,80.374 cw(c-38.335,78.486) -38.335,80.449 -30.353,80.449 ; -27.459,82.408 cw(c-30.353,83.566) -30.353,80.449 ; v2(-15.367,85.979) ccw(c-15.748,85.979) -15.748,86.36 v2(-21.971,86.36) -21.971,85.471 cw(c-23.876,85.471) -23.876,83.566 -26.703,83.566 ccw(c-26.703,81.026) -26.787,83.565 ccw(c-26.771,83.065) -27.266,83.134 cw(c-30.353,83.566) -29.243,80.653 cw(c-30.353,83.566) -30.353,80.449
SWCLK: CON302.4 U301.37 | length 16.6
  Component Side w0.254: U301.37@-47.933,67.183 -47.731,66.981 -47.7,66.981 v1(-47.117,67.564) ; CON302.4@-35.687,62.865 v1(-35.687,64.516)
  Bottom Layer w0.254: v1(-47.117,67.564) cw(c-45.67,67.564) -45.67,69.011 -44.784,69.011 cw(c-44.784,67.408) -44.726,69.01 ccw(c-44.719,69.264) -44.707,69.011 cw(c-44.674,68.384) -44.674,69.011 cw(c-44.674,68.384) -44.504,68.988 ccw(c-44.436,69.233) -44.485,68.983 cw(c-44.784,67.408) -43.65,68.542 -43.629,68.521 ccw(c-42.545,69.605) -42.545,68.072 -41.365,68.072 cw(c-41.365,65.078) -39.249,67.196 ; -39.248,67.195 -38.537,66.484 -37.193,65.14 ; -37.192,65.139 ccw(c-35.687,66.645) -36.902,64.897 ccw(c-35.687,66.645) -35.764,64.517 ccw(c-35.687,66.645) v1(-35.687,64.516)
SWDIO: CON302.2 U301.34 | length 11.4
  Component Side w0.254: U301.34@-45.14,66.476 -44.069,67.547 v1@-44.069,67.691 ; v1(-37.084,64.262) -37.084,64.168 -36.957,64.041 CON302.2@-36.957,62.865
  Bottom Layer w0.254: v1(-43.942,67.945) -43.709,67.945 cw(c-43.711,67.691) -43.579,67.908 ccw(c-42.545,69.605) -42.545,67.618 -41.365,67.618 cw(c-41.365,65.078) -39.569,66.874 -37.248,64.553 -37.248,64.52 -37.084,64.356 v1(-37.084,64.262)
VCC: C307.2 C401.2 C402.2 C403.2 C404.2 C405.2 C406.2 C407.2 C408.2 C409.2 C410.2 C411.2 C412.2 LED401.1 LED402.1 LED403.1 LED404.1 LED405.1 LED406.1 LED407.1 LED408.1 LED409.1 LED410.1 LED411.1 LED412.1 Q301.2 R306.1 U304.3 | length 649.7
  Component Side w0.254: R306.1@-25.161,80.899 -25.161,78.374 ccw(c-24.765,78.374) v2(-24.765,77.978) -23.435,77.978 LED401.1@-23.435,76.55
  Component Side w0.5: C407.2@-262.651,17.526 -262.651,18.536 ccw(c-263.065,18.536) LED407.1@-263.065,18.95 -263.252,18.95 cw(c-263.252,21.49) -265.792,21.49 -265.792,24.003 ccw(c-268.332,24.003) -268.332,26.543 -273.685,26.543 cw(c-273.685,28.375) -275.517,28.375 -275.517,33.13 cw(c-272.523,33.13) -275.169,34.53 cw(c-272.523,33.13) -274.639,35.248 -274.26,35.627 -273.562,36.326 -273.153,36.734 ccw(c-274.628,38.209) -272.888,37.059 ccw(c-274.628,38.209) -272.542,38.209 -272.542,46.663 ccw(c-275.082,46.663) -275.082,49.203 -277.02,49.203 cw(c-277.02,51.743) -279.56,51.743 -279.56,55.216 -279.56,60.579 cw(c-276.566,60.579) -278.765,62.611 cw(c-276.566,60.579) -276.566,63.573 -273.558,63.573 ccw(c-273.558,65.659) -272.346,63.962 ccw(c-273.558,65.659) -271.534,65.155 ccw(c-271.78,65.217) -271.526,65.219 -271.526,65.278 ccw(c-271.743,65.41) -271.491,65.375 ccw(c-273.558,65.659) -271.472,65.659 -271.472,74.691 cw(c-268.932,74.691) -268.932,77.231 -262.616,77.231 cw(c-262.616,75.55) LED406.1@-260.935,75.55 -260.208,75.55 cw(c-260.208,75.057) -259.715,75.057 ccw(c-258.949,75.057) -258.949,74.291 -253.147,74.291 ccw(c-253.147,76.708) -251.439,74.998 -251.017,75.42 -249.884,76.553 cw(c-247.68,74.349) -247.68,77.466 -209.435,77.466 LED405.1@-209.435,76.55 -177.72,76.55 ccw(c-177.72,79.041) -175.959,77.279 ; LED408.1@-211.565,18.45 cw(c-212.714,17.301) -211.089,17.301 C408.2@-211.089,16.891 ccw(c-210.073,16.891) -210.073,15.875 cw(c-210.073,13.852) -208.05,13.852 -208.05,13.843 ccw(c-205.51,13.843) -205.51,11.303 -193.292,11.303 ccw(c-193.292,11.803) -192.89,11.505 cw(c-190.119,9.45) -187.348,11.505 ccw(c-186.946,11.803) -186.946,11.303 -178.31,11.303 -178.308,11.303 -170.307,11.303 ccw(c-170.307,13.843) -167.767,13.843 -167.767,17.85 ; -175.958,77.279 -175.735,77.503 cw(c-173.939,75.707) -174.215,78.232 cw(c-173.939,75.707) -173.939,78.247 -173.482,78.247 ; -173.482,78.232 -167.02,78.232 ccw(c-167.02,78.317) C404.2@-166.935,78.317 ; LED409.1@-169.065,18.95 -169.065,17.85 -167.767,17.85 ; C404.2@-166.893,78.359 ccw(c-166.893,78.317) C404.2@-166.935,78.317 ; -164.756,75.75 ccw(c-165.256,75.735) -164.76,75.803 cw(c-161.925,76.2) -164.784,76.047 ccw(c-165.283,76.018) -164.791,76.108 ccw(c-165.922,75.9) -165.922,77.05 LED404.1@-166.935,77.05 C404.2@-166.935,78.317 ; -164.742,75.539 ccw(c-163.174,75.75) -163.174,74.168 -134.292,74.168 ccw(c-134.292,74.602) v2(-133.985,74.295) ; v2(-127.635,77.724) -120.595,77.724 cw(c-120.595,76.55) LED403.1@-119.421,76.55 -117.683,76.55 cw(c-117.683,76.469) C403.2@-117.602,76.469 ccw(c-117.333,76.469) -117.333,76.2 -76.368,76.2 ccw(c-76.37,76.7) -75.875,76.625 cw(c-74.65,76.625) -74.65,77.851 -72.736,77.851 cw(c-72.736,77.05) LED402.1@-71.935,77.05 -63.119,77.05 ccw(c-63.119,79.59) -60.579,79.59 -60.579,83.82 cw(c-59.294,83.82) -59.294,85.105 C307.2@-59.182,85.105 -54.661,85.105 cw(c-54.661,82.565) -52.865,84.361 -52.113,83.609 ccw(c-50.317,85.405) -50.317,82.865 Q301.2@-36.646,82.865 -31.877,82.865 cw(c-31.877,80.325) -29.337,80.325 -29.337,79.883 ccw(c-27.432,79.883) -27.432,77.978 v2(-24.765,77.978) ; -126.089,17.904 -126.162,17.909 ccw(c-126.201,17.411) -126.201,17.911 ; C412.2@-25.654,16.017 ccw(c-25.654,16.106) -25.565,16.106 LED412.1@-25.565,17.45 v2(-26.746,17.45) ccw(c-26.746,16.256) -27.94,16.256 -27.94,13.897 cw(c-30.48,13.897) -30.48,11.357 -55.673,11.357 cw(c-55.673,14.054) -57.581,12.147 -58.078,12.644 ccw(c-58.432,12.291) -58.424,12.791 cw(c-58.387,14.965) -60.561,14.962 ccw(c-61.061,14.961) -60.709,15.316 -61.473,16.08 ccw(c-62.862,14.693) -62.862,16.656 -73.664,16.656 cw(c-73.664,16.906) C411.2@-73.914,16.906 -73.914,18.299 -76.084,18.299 cw(c-76.084,19.05) -76.835,19.05 ccw(c-78.867,19.05) -78.867,21.082 -113.538,21.082 ccw(c-113.538,18.796) -115.824,18.796 cw(c-117.333,18.796) -117.333,17.287 C410.2@-121.412,17.287 -121.412,18.627 LED410.1@-121.461,18.627 -121.461,17.911 -126.201,17.911 ; -167.767,17.85 -163.047,17.85 cw(c-163.047,15.31) -161.251,17.106 -159.24,15.095 ccw(c-157.444,16.891) -157.444,14.351 -150.023,14.351 ccw(c-150.023,16.891) -148.227,15.095 -146.155,17.167 cw(c-144.359,15.371) -144.359,17.911 -126.201,17.911
  Bottom Layer w0.5: v2(-133.985,74.295) -132.116,74.295 ccw(c-132.116,76.835) -130.32,75.039 v2(-127.635,77.724) ; v2(-26.746,17.45) ccw(c-26.746,19.413) -24.783,19.413 -24.783,20.575 ccw(c-25.283,20.574) -25.04,21.011 cw(c-24.206,22.515) -24.785,24.135 cw(c-24.206,22.515) -23.74,24.171 ccw(c-23.607,24.653) -23.543,24.157 ccw(c-23.876,26.675) -21.336,26.675 -21.336,30.547 ccw(c-21.836,30.545) -21.833,31.045 cw(c-21.825,32.765) -22.23,34.437 -22.23,55.712 cw(c-19.69,55.712) -21.486,57.508 -15.476,63.518 ccw(c-17.272,65.314) -14.732,65.314 -14.732,75.438 ccw(c-17.272,75.438) -17.272,77.978 v2(-24.765,77.978)
VCC3V3: C301.2 C302.2 C303.2 C304.2 C305.2 C308.2 CON302.1 CON303.2 R303.1 S301.1 U301.1 U301.9 U301.24 U301.36 U301.48 U304.2 | length 97.6
  Component Side w0.254: v1(-55.307,64.135) -54.877,63.706 C304.2@-54.531,63.706 -54.514,63.688 -53.607,63.688 cw(c-53.609,63.434) -53.482,63.654 ccw(c-53.168,64.197) -53.168,63.57 ccw(c-53.168,64.197) -52.836,63.665 cw(c-52.7,63.451) -52.791,63.688 -52.787,63.692 -52.22,63.692 U301.48@-51.822,63.294 ; v1@-54.229,60.863 C305.2@-53.642,60.277 -53.181,60.277 ccw(c-53.181,61.309) -52.452,60.578 ; -52.451,60.579 U301.1@-51.822,61.208 ; v1@-50.8,54.991 -50.117,55.674 C302.2@-50.086,55.674 -49.53,56.231 -49.53,57.831 -48.994,58.367 U301.9@-48.994,58.38 ; U301.36@-45.44,67.59 -45.372,67.658 ccw(c-45.552,67.837) -45.298,67.837 -45.298,68.309 ccw(c-45.552,68.308) -45.299,68.329 cw(c-44.674,68.384) -44.849,68.987 ccw(c-44.921,69.23) -44.742,69.05 -44.566,69.226 ccw(c-45.267,69.929) -44.34,69.573 C303.2@-44.485,69.718 ; v1(-45.047,70.663) C303.2@-44.313,69.929 ; U301.24@-41.958,61.208 -40.434,59.684 C301.2@-40.434,59.515 v1(-39.751,60.198) ; CON302.1@-36.957,61.595 -37.274,61.277 cw(c-38.041,62.044) -38.041,60.96 -38.515,60.96 ccw(c-38.515,59.816) -39.324,60.625 v1(-39.751,60.198) ; -35.442,55.889 v1(-39.751,60.198) ; -35.442,55.889 ccw(c-33.917,57.414) -33.917,55.258 R303.1@-33.024,55.258 ccw(c-31.163,55.258) -32.479,53.942 CON303.2@-30.48,51.943 -30.48,50.857 cw(c-31.73,50.857) -30.846,49.973 -31.212,49.607 S301.1@-31.212,49.482 S301.1@-31.212,43.482
  Component Side w0.5: U304.2@-55.692,82.563 -54.13,82.563 cw(c-54.13,82.535) C308.2@-54.102,82.535 -54.102,75.184 ccw(c-52.451,75.184) -53.486,73.898 ccw(c-53.174,74.289) -53.278,73.8 cw(c-53.625,72.115) -52.403,73.325 -52.367,73.29 cw(c-52.722,72.937) -52.337,73.256 -52.3,73.212 cw(c-53.625,72.115) v2@-51.91,71.988 ; C303.2@-44.313,69.929 C303.2@-44.275,69.929
  Bottom Layer w0.5: v1(-45.047,70.663) -45.649,71.265 ccw(c-47.445,69.469) -47.445,72.009 v2(-51.562,72.009) -51.562,71.918 cw(c-54.102,71.918) -52.306,70.122 -53.096,69.332 ccw(c-51.3,67.536) -53.84,67.536 -53.84,66.006 -53.905,65.374 cw(c-54.651,65.451) -54.12,64.922 cw(c-54.651,65.451) -54.122,64.92 cw(c-54.651,65.451) -54.244,64.821 -54.43,64.701 -55.23,64.184 v1(-55.307,64.135) -55.307,62.335 cw(c-55.807,62.337) -55.328,62.194 ccw(c-54.61,61.976) -55.36,61.976 ccw(c-54.61,61.976) -55.141,61.447 ccw(c-54.61,61.976) -55.139,61.445 ccw(c-54.61,61.976) -54.627,61.226 cw(c-54.637,60.726) -54.312,61.106 cw(c-54.637,60.726) v1(-54.291,61.087) -54.291,57.531 ccw(c-51.751,57.531) -54.278,57.282 ccw(c-51.751,57.531) -52,55.003 ccw(c-51.751,57.531) -51.751,54.991 v1(-50.735,54.991) -49.574,56.152 cw(c-47.778,54.356) -47.778,56.896 -44.105,56.896 ccw(c-44.105,59.436) -42.309,57.64 v1(-39.751,60.198)
pads on no net: CON301. CON301.A8 CON301.B8 CON302.0 CON302.6 D301.1 D301.6 FID1.0 FID2.0 FID3.0 FID4.0 LED412.2 S201. S202. S203. S204. S205. S206. S207. S208. S209. S210. S211. S212. S213. S214. S215. S216. S217. S218. S219. S220. S221. S222. S223. S224. S225. S226. S227. S228. S229. S230. S231. S232. S233. S234. S235. S236. S237. S238. S239. S240. S241. S242. S243. S244. S245. S246. S247. S248. S249. S250. S251. S252. S253. S254. S255. S256. S257. S258. S259. S260. S261. S262. S263. S264. S265. S266. S267. S268. S269. S270.

## Polygon pours and split planes (outlines as drawn)
GND on Bottom Layer "Component Side-No Net" (hatched 45Degree grid 1.397 track 0.203, remove dead copper, pour order 0): -0.635,93.995 -0.635,0.65 -284.48,0.65 -284.48,93.995
GND on Component Side "Component Side-No Net" (hatched 45Degree grid 1.397 track 0.203, remove dead copper, pour order 2): -0.635,93.995 -0.635,0.65 -284.48,0.65 -284.48,93.995

## Other copper
Component Side:
  pour cut-out: -241.8,36.39 cw(c-241.8,37.79) -241.8,39.19 -43.18,39.19 cw(c-43.18,37.79) -41.78,37.79 cw(c-43.18,37.79) -43.18,36.39
  region net GND: 1746 vertices and 2 holes, not listed, extent -157.128,6.426 -151.216,12.565
Bottom Layer:
  pour cut-out: -241.8,36.39 cw(c-241.8,37.79) -241.8,39.19 -43.18,39.19 cw(c-43.18,37.79) -41.78,37.79 cw(c-43.18,37.79) -43.18,36.39

## Silkscreen, mask and mechanical layers (free items; w line width, h text height)
Top Overlay:
  text "Steezy60-SMK" at -255.27,60.96 h7
  text "by 4pplet" at -228.6,58.42 h1.52
  text "REV B2" at -254.762,58.365 h1.52
  text "BL/RESET" at -32.178,41.748 h0.75
Top Solder:
  drawing of 2 lines, arcs and shapes, not listed
outline:
  lines w0.1: -284.861,36.576 -280.67,36.576 ccw(c-280.67,37.719) -279.527,37.719 ; -284.85,36.565 -284.85,2.215 ccw(c-282.85,2.215) -282.85,0.215 -275.85,0.215 cw(c-272.7,-0.52) -269.55,0.215 -236.137,0.215 cw(c-232.987,-0.52) -229.838,0.215 -189.05,0.215 cw(c-185.9,-0.52) -182.75,0.215 -102.25,0.215 cw(c-99.1,-0.52) -95.95,0.215 -55.161,0.215 cw(c-52.011,-0.52) -48.861,0.215 -15.45,0.215 cw(c-12.3,-0.52) -9.15,0.215 -2.15,0.215 ccw(c-2.15,2.215) -0.15,2.215 ccw(c-0.15,2.238) -0.127,2.238 -0.127,36.576 -4.191,36.576 cw(c-4.191,37.846) -5.461,37.846 cw(c-4.242,37.846) -4.242,39.065 -0.15,39.065 -0.15,92.415 ccw(c-2.15,92.415) -2.15,94.415 -7.15,94.415 ; -279.527,37.795 ccw(c-280.797,37.795) -280.797,39.065 -284.85,39.065 -284.85,92.415 cw(c-282.85,92.415) -282.85,94.415 -275.85,94.415 ccw(c-272.7,95.149) -269.55,94.415 -250.424,94.415 ccw(c-247.274,95.149) -244.124,94.415 -189.05,94.415 ccw(c-185.9,95.149) -182.75,94.415 -131.361,94.415 ccw(c-128.211,95.149) -125.061,94.415 -102.25,94.415 ccw(c-99.1,95.149) -95.95,94.415 -40.874,94.415 ccw(c-37.724,95.149) -34.574,94.415 -13.477,94.415 ccw(c-10.327,95.149) -7.177,94.415
  lines w0.2: -279.527,37.719 -279.527,37.795
Mechanical 16:
  drawing of 560 lines, arcs and shapes, not listed

## Dimensions
-0.15,92.415 to -284.85,92.415 on top dimensions
-9.15,0.215 to -7.177,94.415 on top dimensions
-0.15,92.415 to -284.85,92.415 on bot dimensions
-9.15,0.215 to -2.15,94.415 on bot dimensions

## Text inside footprints (layer, text, board x,y; h text height)
CON301: Mechanical 15 "connector edge" at -15.25,95.25 h1 r180
S262: Mechanical 16 "7U" at -141.564,3.89 h1.52; Mechanical 16 "6U" at -131.824,11.515 h1.52; Mechanical 16 "6.25U" at -124.574,4.94 h1.52; Mechanical 16 "6.25U" at -188.764,5.615 h1.52 r270; Mechanical 16 "7U" at -208.331,7.365 h1.52 r270